# KiCad board SofleKeyboard.kicad_pcb (continued)
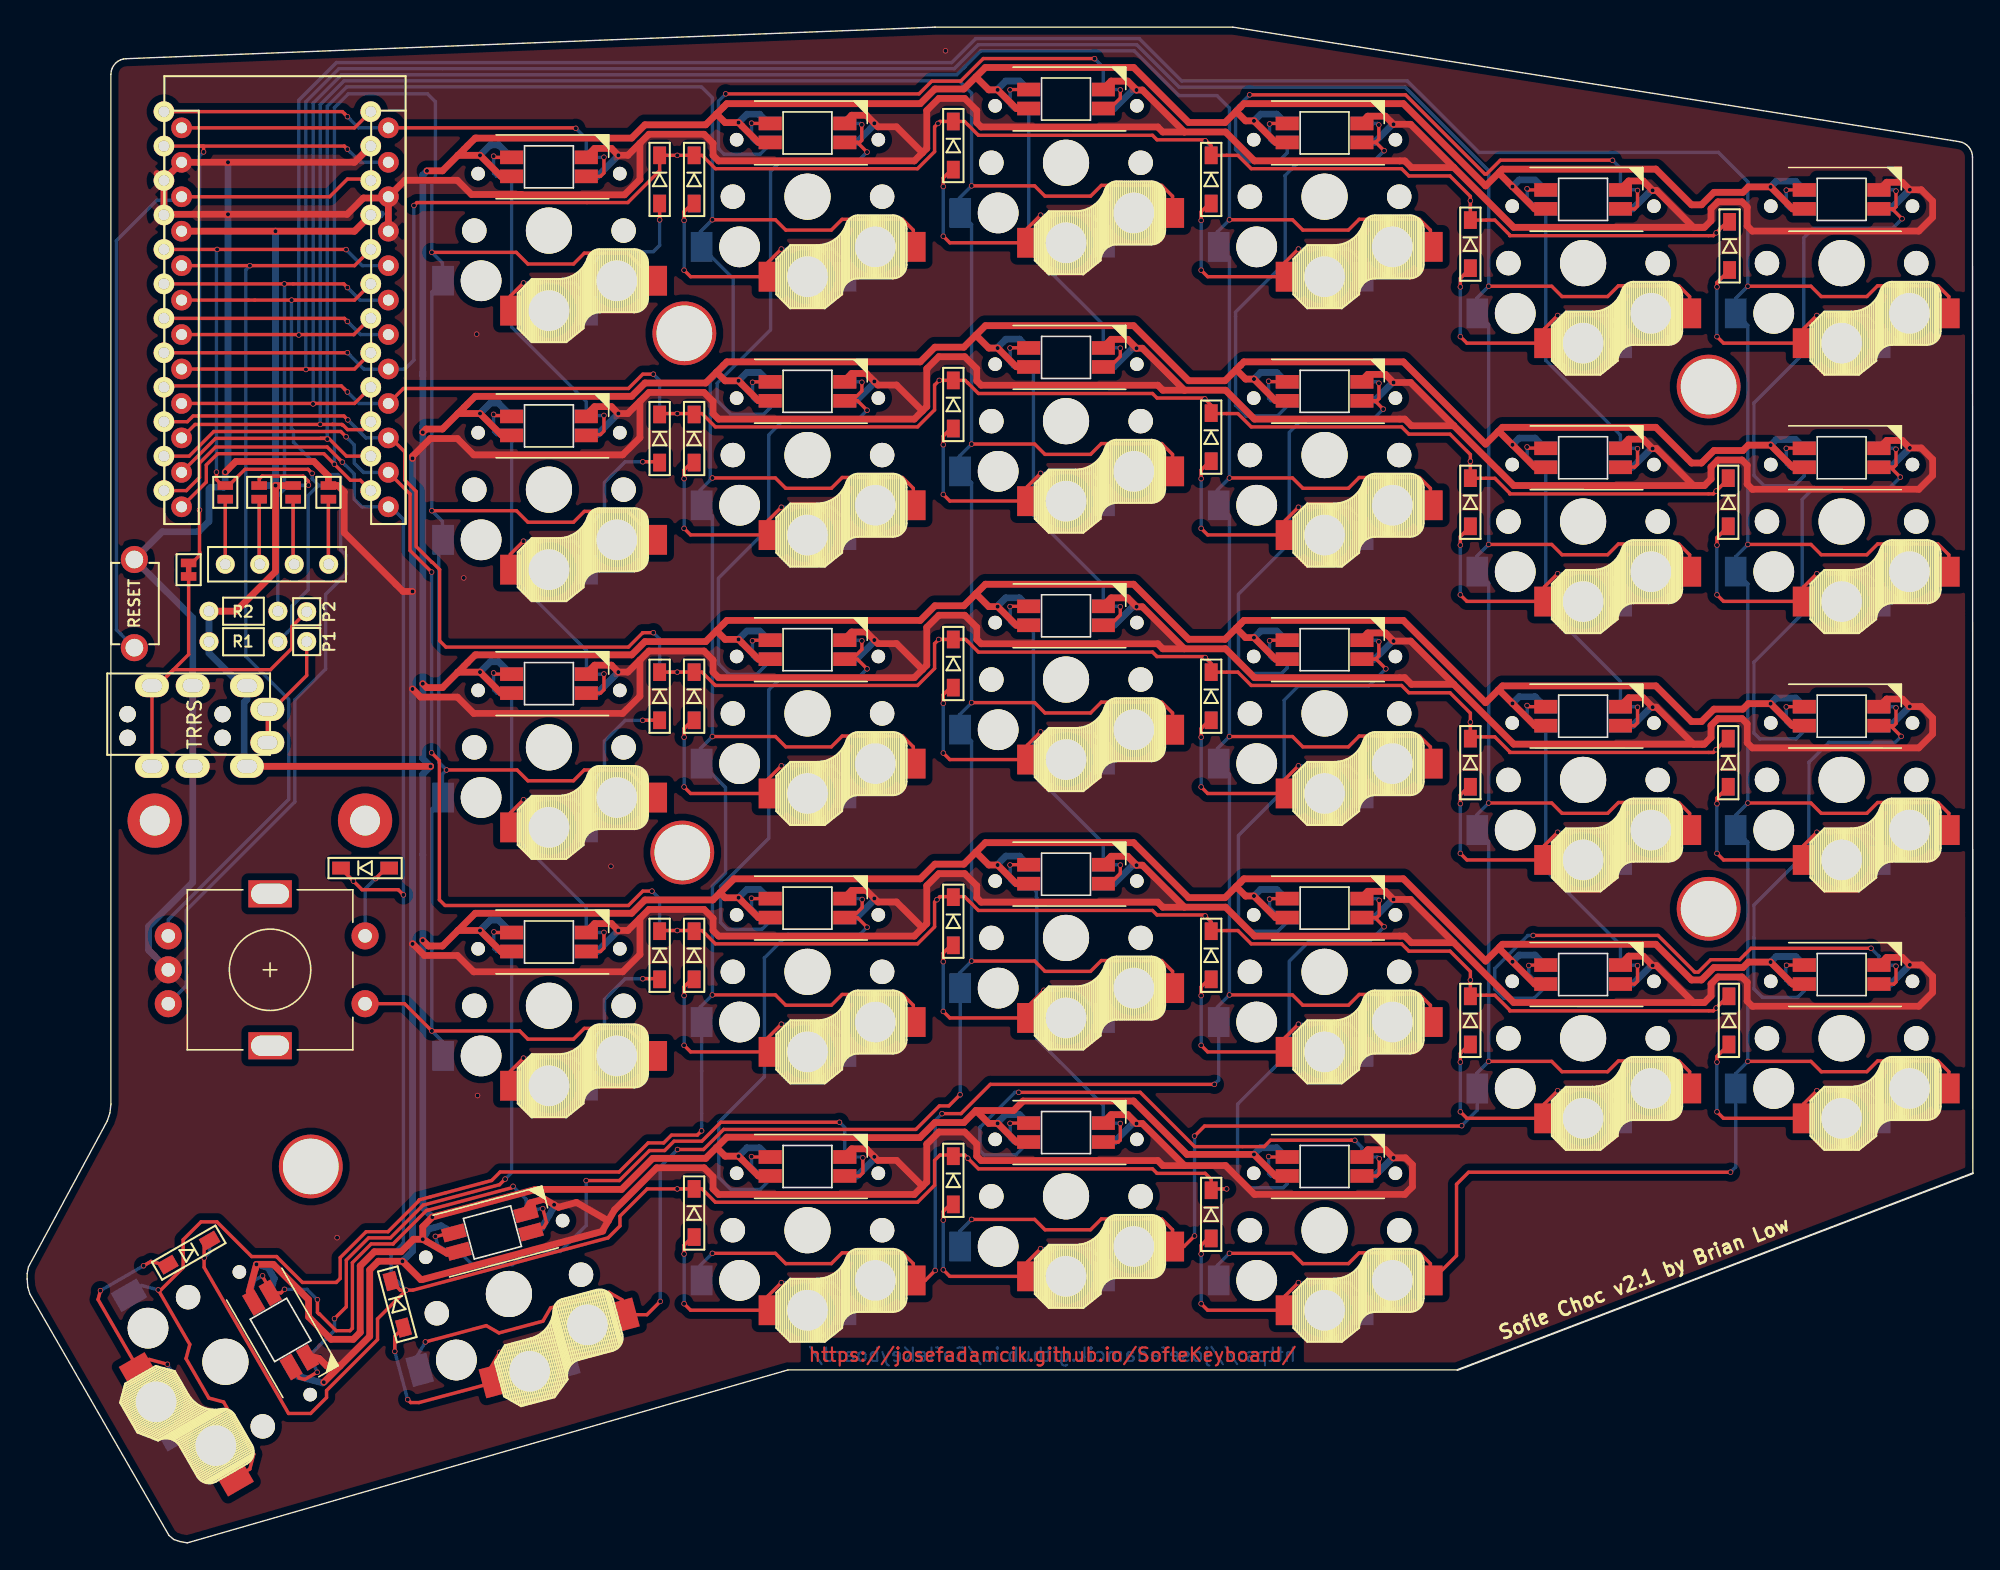
[diagram p0: board, top side]
## Routing (per net, layer and track width the routed paths; a pad name or vN(x,y) marks a point on that pad's centre or on a via; arc(x,y) is an arc through that point) (continued)
  Bottom w0.5: v1(18.3,96.7) v1(18.3,77.95) JP7.2 ; v1(52.42,47.56) 53.04,48.18 53.97,48.18 54.65,47.5 ; v1(52.42,66.61) 53.04,67.23 53.97,67.23 54.65,66.55 ; v1(52.42,85.67) 53.04,86.29 53.97,86.29 54.65,85.61 ; 35.65,45 34.74,45.91 34.13,45.91 v1(33.37,45.15) ; 35.65,64.05 34.74,64.96 34.13,64.96 v1(33.37,64.2) ; 35.65,83.11 34.74,84.03 34.13,84.03 v1(33.37,83.26) ; v1(71.51,49.98) 71.51,50.03 72.11,50.63 73.12,50.63 73.75,50 ; v1(71.51,69.03) 71.51,69.08 72.11,69.68 73.12,69.68 73.75,69.05 ; v1(71.51,88.09) 71.51,88.14 72.11,88.74 73.12,88.74 73.75,88.11 ; v1(128.47,42.82) 128.88,43.23 130.32,43.23 SW24.1 ; v1(128.47,61.87) 128.88,62.28 130.32,62.28 SW18.1 ; v1(128.47,80.93) 128.88,81.35 130.32,81.35 130.95,80.71 ; v1(90.4,47.69) 90.89,48.18 92.07,48.18 92.75,47.5 ; v1(90.4,66.74) 90.89,67.23 92.07,67.23 92.75,66.55 ; v1(90.4,85.8) 90.89,86.29 92.07,86.29 92.75,85.61 ; v1(109.45,42.84) 109.94,43.34 111.11,43.34 111.85,42.6 ; v1(109.45,61.89) 109.94,62.39 111.11,62.39 111.85,61.65 ; v1(109.45,80.95) 109.94,81.45 111.11,81.45 111.85,80.71 ; v1(71.51,30.93) 71.51,30.98 72.11,31.58 73.12,31.58 73.75,30.95 ; v1(90.4,28.64) 90.89,29.13 92.07,29.13 92.75,28.45 ; v1(52.42,28.51) 53.04,29.13 53.97,29.13 54.65,28.45 ; 31.32,22.9 30.49,23.38 29.59,23.14 v1(29.15,22.38) ; 17.96,18.57 18.21,19.5 17.74,20.31 v1(16.9,20.53) ; v1(109.45,99.99) 109.94,100.49 111.11,100.49 111.85,99.75 ; 26.1,97.98 26.02,97.9 U1.21 ; U1.21 25.4,97.98 ; U1.21 25.34,97.92 ; v1(29.46,101.16) 29.15,100.85 29.15,86.04 ; 92.75,104.65 92.07,105.33 90.89,105.33 v1(90.4,104.84) ; v1(29.86,24.02) 29.15,24.73 v1(29.15,44.42) 29.15,56.67 v1(29.73,57.25) 29.15,57.82 v1(29.15,63.34) v1(29.15,81.88) 29.15,86.04 ; v1(71.51,107.13) 71.51,107.18 72.11,107.78 73.12,107.78 73.75,107.15 ; R2.1 13.4,65.6 15.8,63.2 J2.1 16.2,62.19 16,61.99 16,57.45 J2.1 ; 54.65,104.65 53.97,105.33 53.04,105.33 v1(52.42,104.71) ; 29.15,86.04 29.15,86.3 ; v1(33.37,102.3) 34.13,103.06 34.74,103.06 35.65,102.15 ; SW6.1 130.32,100.38 128.88,100.38 v1(128.47,99.97)
/i2c_c: length 9.9
  Top w0.25: 20.2,66.05 P1.1 20.6,63.95 18.1,61.45 J2.4 J2.4
  Bottom w0.25: 18.1,61.45 J2.4
/i2c_d: length 29.6
  Top w0.25: J2.3 J2.3 9.6,63.2 ; 9.6,63.2 10.78,64.38 17.93,64.38 19.5,65.95 19.5,67.55 P2.1 ; 9.6,63.2 11.9,65.5 W1.2
col0: length 336.6
  Top w0.25: 25.37,90.38 24.07,89.08 24.07,89.08 20.14,89.08 ; SW24.6 141.6,34.73 140.8,35.53 136.35,35.53 135.56,34.74 132.2,34.74 131.44,35.5 126.79,35.5 v1(126.79,35.5) ; SW18.6 141.6,53.78 140.8,54.58 136.35,54.58 135.56,53.79 132.2,53.79 131.44,54.55 126.79,54.55 v1(126.79,54.55) ; 141.6,71.61 141.6,72.85 140.8,73.65 136.35,73.65 135.56,72.85 132.2,72.85 131.44,73.61 126.79,73.61 v1(126.79,73.61) ; SW6.6 141.6,91.88 140.8,92.68 136.35,92.68 135.56,91.89 132.2,91.89 131.44,92.65 126.79,92.65 v1(126.79,92.65) ; 103.4,19.35 103.4,20.58 102.6,21.38 98.15,21.38 97.36,20.59 94,20.59 93.24,21.35 88.59,21.35 v1(88.59,21.35) ; v1(20.02,89.05) 20.05,89.08 20.14,89.08 ; SW30.6 105.32,21.17 105.32,26.44 106.21,27.33 v1(125.52,27.33) ; 20.14,89.08 U1.18
  Bottom w0.25: 125.9,71.61 125.9,72.72 v1(126.79,73.61) 126.79,89.76 SW6.6 125.9,91.75 v1(126.79,92.65) 126.79,100.35 124.63,102.51 106.98,102.51 101.71,107.78 85.07,107.78 81.95,110.9 69.9,110.9 68.13,109.14 22.79,109.14 20.02,106.36 v1(20.02,89.05) ; 87.7,19.35 87.7,20.45 v1(88.59,21.35) ; v1(125.52,27.33) 125.9,27.71 SW24.6 125.9,34.6 v1(126.79,35.5) 126.79,51.66 SW18.6 125.9,53.65 v1(126.79,54.55) 126.79,70.71 SW12.6
col1: length 317.4
  Top w0.25: 122.5,33.5 122.5,34.73 121.7,35.53 117.25,35.53 116.46,34.74 113.1,34.74 112.34,35.5 107.69,35.5 v1(107.69,35.5) ; 122.5,52.55 122.5,53.78 121.7,54.58 117.25,54.58 116.46,53.79 113.1,53.79 112.34,54.55 107.69,54.55 v1(107.69,54.55) ; 122.5,71.61 122.5,72.85 121.7,73.65 117.25,73.65 116.46,72.85 113.1,72.85 112.34,73.61 107.69,73.61 v1(107.69,73.61) ; 84.4,21.85 84.4,23.08 83.6,23.88 79.15,23.88 78.36,23.09 75,23.09 74.24,23.85 69.59,23.85 v1(69.59,23.85) ; U1.17 24.12,86.54 20.65,86.54 ; 20.65,86.54 20.58,86.54 v1(20.54,86.51) ; 20.65,86.54 U1.17 ; v1(86.02,29.99) 86.76,30.73 105.68,30.73 v1(105.7,30.76) ; 122.5,90.65 122.5,91.88 121.7,92.68 117.25,92.68 116.46,91.89 113.1,91.89 112.34,92.65 107.69,92.65 v1(107.69,92.65) ; v1(86.02,22.63) 85.24,21.85 SW29.6
  Bottom w0.25: 106.8,33.5 106.8,34.6 v1(107.69,35.5) 107.69,51.71 SW17.6 ; 106.8,52.55 106.8,53.65 v1(107.69,54.55) 107.69,70.76 SW11.6 ; 106.8,71.61 106.8,72.72 v1(107.69,73.61) 107.69,89.81 SW5.6 ; v1(69.59,23.85) 68.7,22.95 68.7,21.85 68.7,22.21 ; v1(86.02,22.63) v1(86.02,29.99) ; v1(105.7,30.76) 106.85,31.9 SW23.6 ; 106.8,90.65 106.8,91.75 v1(107.69,92.65) 107.69,101.16 101.52,107.33 84.88,107.33 81.76,110.45 70.08,110.45 68.83,109.2 ; 68.75,109.12 68.32,108.69 22.98,108.69 20.54,106.25 v1(20.54,86.51)
col2: length 304.4
  Top w0.25: 103.4,38.4 103.4,39.63 102.6,40.43 98.15,40.43 97.36,39.64 94,39.64 93.24,40.4 88.59,40.4 v1(88.59,40.4) ; 103.4,57.45 103.4,58.68 102.6,59.48 98.15,59.48 97.36,58.69 94,58.69 93.24,59.45 88.59,59.45 v1(88.59,59.45) ; 103.4,76.51 103.4,77.75 102.6,78.55 98.15,78.55 97.36,77.75 94,77.75 93.24,78.51 88.59,78.51 v1(88.59,78.51) ; 103.4,95.55 103.4,96.78 102.6,97.58 98.15,97.58 97.36,96.79 94,96.79 93.24,97.55 88.59,97.55 v1(88.59,97.55) ; 65.3,19.35 65.3,20.58 64.5,21.38 60.05,21.38 59.26,20.59 55.9,20.59 55.14,21.35 50.49,21.35 v1(50.49,21.35) ; v1(67.41,31.65) 68.81,31.65 70.97,33.8 v1(87.48,33.8) ; v1(21.07,83.97) 21.1,84 21.21,84 ; 21.21,84 U1.16 ; 21.21,84 24.12,84 U1.16 ; v1(66.91,20.08) 66.17,19.35 SW28.6
  Bottom w0.25: 87.7,38.4 87.7,39.5 v1(88.59,40.4) 88.59,56.66 SW16.6 ; 87.7,57.45 87.7,58.55 v1(88.59,59.45) 88.59,75.71 SW10.6 ; 87.7,76.51 87.7,77.62 v1(88.59,78.51) 88.59,94.76 SW4.6 ; 87.7,95.55 87.7,96.65 v1(88.59,97.55) 88.59,105.78 87.67,106.7 84.88,106.7 81.57,110 70.27,110 69.13,108.86 ; 49.6,19.35 49.6,20.45 v1(50.49,21.35) ; v1(67.41,31.65) 66.91,31.14 v1(66.91,20.08) ; v1(87.48,33.8) 87.8,34.12 SW22.6 ; 69.13,108.86 68.5,108.24 23.16,108.24 21.07,106.14 v1(21.07,83.97) ; 69.13,108.86 69.01,108.75
col3: length 290.9
  Top w0.25: 84.4,40.9 84.4,42.13 83.6,42.93 79.15,42.93 78.36,42.14 75,42.14 74.24,42.9 69.59,42.9 v1(69.59,42.9) ; 84.4,59.95 84.4,61.18 83.6,61.98 79.15,61.98 78.36,61.19 75,61.19 74.24,61.95 69.59,61.95 v1(69.59,61.95) ; 84.4,79.01 84.4,80.25 83.6,81.05 79.15,81.05 78.36,80.25 75,80.25 74.24,81.01 69.59,81.01 v1(69.59,81.01) ; 84.4,98.05 84.4,99.28 83.6,100.08 79.15,100.08 78.36,99.29 75,99.29 74.24,100.05 69.59,100.05 v1(69.59,100.05) ; 44.16,16.72 43.84,17.91 42.86,18.48 38.57,17.32 38.01,16.35 34.76,15.48 33.83,16.02 29.34,14.82 v1(29.34,14.81) ; 22.47,82.46 22.65,82.46 ; 22.47,82.46 23.19,82.46 23.26,82.39 23.3,82.39 23.61,82.08 24.74,82.08 U1.15 24.86,82.2 ; 22.47,82.46 21.49,82.46 ; SW27.6 45.67,16.82 v1(46.65,17.8) ; 21.49,82.46 12.37,82.46 U1.15 ; 21.49,82.46 21.59,82.46 v1(21.59,82.46) ; v1(68.74,33.05) 67.92,32.22 67.22,32.22 65.49,30.48 51.32,30.48 49.84,29 v1(47.92,29)
  Bottom w0.25: 68.7,41.26 68.7,40.9 68.7,42 v1(69.59,42.9) 69.59,59.11 SW15.6 ; 68.7,60.31 68.7,59.95 68.7,61.05 v1(69.59,61.95) 69.59,78.16 SW9.6 ; 68.7,79.38 68.7,79.01 68.7,80.12 v1(69.59,81.01) 69.59,97.21 SW3.6 ; 29,12.65 28.71,13.72 v1(29.34,14.81) ; v1(47.92,29) 46.65,27.73 v1(46.65,17.8) ; 68.75,32.92 68.75,32.92 SW21.6 ; v1(21.59,82.46) 21.59,106.03 23.35,107.79 68.68,107.79 69.59,106.87 v1(69.59,100.05) 68.7,99.15 68.7,98.05 68.7,98.41
col4: length 288.6
  Top w0.25: 65.3,38.4 65.3,39.63 64.5,40.43 60.05,40.43 59.26,39.64 55.9,39.64 55.14,40.4 50.49,40.4 v1(50.49,40.4) ; 65.3,57.45 65.3,58.68 64.5,59.48 60.05,59.48 59.26,58.69 55.9,58.69 55.14,59.45 50.49,59.45 v1(50.49,59.45) ; 65.3,76.51 65.3,77.75 64.5,78.55 60.05,78.55 59.26,77.75 55.9,77.75 55.14,78.51 50.49,78.51 v1(50.49,78.51) ; 65.3,95.55 65.3,96.78 64.5,97.58 60.05,97.58 59.26,96.79 55.9,96.79 55.14,97.55 50.49,97.55 v1(50.49,97.55) ; 15.34,4.83 16.4,5.44 16.7,6.54 14.48,10.39 13.39,10.68 11.71,13.59 11.99,14.63 9.66,18.65 v1(9.66,18.65) 9.85,18.65 11.5,20.29 11.5,22.35 12.82,23.67 13.98,23.67 16.55,21.11 18.37,21.11 20.28,19.2 22.77,19.2 23.07,19.49 23.07,21.03 24.98,22.94 26.59,22.94 28.82,25.18 28.89,25.29 34.23,26.72 34.86,27.34 43.62,27.34 45.76,29.49 46.9,29.49 47.48,30.06 49.39,30.06 v1(49.7,30.38) ; U1.14 23.53,80.12 22.22,81.43 21.63,81.43 ; 21.63,81.43 13.88,81.43 U1.14 ; 21.63,81.43 22.06,81.43 v1(22.12,81.38)
  Bottom w0.25: 49.6,38.4 49.6,39.5 v1(50.49,40.4) 50.49,48.43 51.46,49.4 51.46,55.69 SW14.6 ; 49.6,57.45 49.6,58.55 v1(50.49,59.45) 50.49,75.71 SW8.6 ; 49.6,76.51 49.6,77.62 50.33,78.35 ; 49.6,95.55 49.6,96.65 v1(50.49,97.55) 50.49,106.54 49.7,107.34 23.54,107.34 22.12,105.92 v1(22.12,81.38) ; 7.49,18.42 8.44,18.98 v1(9.66,18.65) ; 49.7,30.76 SW20.6 ; 49.7,30.76 49.7,30.76 ; 49.7,30.76 49.7,30.38 v1(49.7,30.38) ; 50.33,78.35 50.33,85.62 52.02,87.31 52.02,93.23 SW2.6 ; 50.33,78.35 v1(50.49,78.51)
DATA: length 48.7
  Top w0.25: 12.6,102.98 12.87,102.98 ; 12.6,102.98 U1.2 ; 12.6,102.98 12.98,102.98 ; v1(23.6,102.75) 23.37,102.98 12.98,102.98 ; v1(13,102.55) 13,102.96 12.98,102.98 ; v1(12.7,76.15) 12.7,73.05 12.72,73.03 12.72,72.82 12.15,72.25 W1.1
  Bottom w0.25: v1(13,102.55) 12.7,102.25 v1(12.7,76.15) ; v1(23.6,102.75) 24.57,101.78 U1.2
ENCA: length 69
  Top w0.25: U1.20 v1(16.41,94.16) 24.12,94.16 U1.20
  Bottom w0.25: SW25.A 10.4,45.94 19.28,54.82 19.28,62.19 16.12,65.35 16.12,93.87 v1(16.41,94.16)
ENCB: length 73.9
  Top w0.25: U1.19 24.12,91.62 U1.19
  Bottom w0.25: SW25.B 11.73,41.08 11.73,46.63 19.73,54.63 19.73,62.15 21.99,64.42 21.99,69.93 23.5,71.44 23.5,72.82 23.1,73.21 23.1,78.56 22.9,78.76 22.01,78.76 19.62,81.15 19.62,82 19.47,82.15 19.47,91.61 v1(19.49,91.62)
LED: length 37.3
  Top w0.25: v1(42.5,102.16) 42.5,101 42.25,100.75 41.15,100.75 ; U1.1 40.39,104.32 v1(40.43,104.29) ; v1(23.6,105.15) 23.23,105.52 U1.1
  Bottom w0.25: 41.15,102.15 42.49,102.15 v1(42.5,102.16) ; v1(40.43,104.29) 41.2,103.52 SW1.4 ; v1(23.6,105.15) 24.43,104.32 U1.1
RESET: length 51.2
  Top w0.25: 25.37,100.54 25.36,100.55 23.6,100.55 22.29,99.24 U1.22
  Bottom w0.25: RSW1.2 6.57,67.33 6.57,96 9.56,98.99 11.12,98.99 U1.22
row0: length 145.8
  Top w0.25: 47.9,102.3 49.14,102.3 D2.1 49.73,102.3 50.71,101.31 65.61,101.31 66.87,102.57 66.87,104.4 v1(67.12,104.65) 67.26,104.8 D3.1 69.08,104.8 70.1,103.78 82.92,103.78 83.25,103.44 86.81,103.44 87.25,103 D4.1 89.22,102.3 90.2,101.31 101.27,101.31 101.81,100.78 104.84,100.78 106.34,99.28 v1(106.34,98.95) D5.1 108.15,97.53 109.24,96.43 109.24,96.38 124.25,96.38 v1(124.46,96.58) 125.27,97.4 D6.1 ; 47.9,102.3 D1.1 46.61,101.16 44.26,98.81 28.72,98.81 v1(28.5,98.6) ; 47.9,102.3 v1(47.9,102.3) ; U1.8 23.59,87.74 v1(23.6,87.75)
  Bottom w0.25: v1(124.46,96.58) 125.27,97.4 D6.1 ; D3.1 67.26,104.8 v1(67.12,104.65) ; v1(23.6,87.75) 24.81,86.54 26.67,86.54 ; D5.1 v1(106.34,98.95) ; D1.1 46.61,102.3 D2.1 ; D4.1 87.25,102.93 v1(86.81,103.37) ; v1(28.5,98.6) 28.5,87.21 27.84,86.54 U1.8
row1: length 135
  Top w0.25: 87.25,83.26 89.22,83.26 90.2,82.28 101.27,82.28 101.81,81.74 104.84,81.74 106.34,80.24 v1(106.34,79.74) 106.34,78.49 108.15,78.49 109.24,77.39 109.24,77.34 124.25,77.34 v1(124.46,77.55) 125.27,78.36 125.44,78.36 ; 86.81,84.41 83.25,84.41 82.92,84.74 70.1,84.74 69.31,85.52 69.31,85.52 69.12,85.7 D9.1 v1(67.21,85.7) 66.87,85.36 66.87,83.53 65.61,82.28 50.71,82.28 49.73,83.26 49.15,83.26 49.14,83.26 47.9,83.26 ; 47.9,83.26 v1(47.9,83.26) ; 47.9,83.26 46.61,83.26 ; 10.13,85.3 23.15,85.3 v1(23.6,84.85) ; U1.9 27.72,85.11 44.3,85.11 45.36,86.16 v1(46.14,86.16) ; v1(86.78,84.33) 87.25,83.87 D10.1
  Bottom w0.25: v1(124.46,77.55) 125.27,78.36 125.44,78.36 ; 46.61,83.26 46.61,83.26 49.15,83.26 ; D11.1 v1(106.34,79.74) ; 26.67,84 24.45,84 v1(23.6,84.85) ; v1(86.78,84.33) 87.25,83.87 D10.1 ; D7.1 46.61,85.7 v1(46.14,86.16) ; D9.1 v1(67.21,85.7)
row2: length 147.9
  Top w0.25: 86.81,65.34 83.25,65.34 82.92,65.68 70.1,65.68 69.31,66.46 69.31,66.46 69.16,66.61 D15.1 67.17,66.61 66.87,66.3 66.87,64.47 65.61,63.21 50.71,63.21 49.73,64.19 49.15,64.19 49.14,64.2 47.9,64.2 ; 125.44,59.3 125.27,59.3 v1(124.46,58.48) 124.25,58.28 109.24,58.28 109.24,58.33 108.15,59.42 106.34,59.42 v1(106.34,60.51) 106.34,61.17 104.84,62.68 101.81,62.68 101.27,63.21 90.2,63.21 89.22,64.19 87.25,64.19 87.25,64.83 v1(86.81,65.27) ; 47.9,64.2 v1(47.9,64.2) ; 47.9,64.2 46.61,64.2 ; U1.10 26.79,81.46 27.82,80.43 27.82,78.36 28.67,77.52 28.67,73.45 29.83,72.29 29.87,72.29 30.39,71.76 30.39,66.51 30.86,66.04 44.3,66.04 45.35,67.09 45.35,67.1 v1(46.14,67.1) ; v1(23.63,82.79) 23.35,83.08 12.23,83.08 11.81,82.66 U1.10
  Bottom w0.25: v1(124.46,58.48) 125.27,59.3 125.44,59.3 ; 46.61,64.2 46.61,64.19 49.15,64.19 ; 87.25,64.19 87.25,64.83 v1(86.81,65.27) ; v1(46.14,67.1) 46.61,66.64 46.61,64.19 ; v1(23.63,82.79) 24.96,81.46 U1.10 ; D17.1 v1(106.34,60.51) ; D15.1 v1(67.17,66.61)
row3: length 166.8
  Top w0.25: 87.25,45.14 89.22,45.14 90.2,44.16 101.27,44.16 101.81,43.63 104.84,43.63 106.34,42.12 v1(106.34,41.49) 106.34,40.38 108.15,40.38 109.24,39.28 109.24,39.23 124.25,39.23 v1(124.46,39.43) 125.27,40.25 125.44,40.25 ; 86.81,46.29 83.25,46.29 82.92,46.63 70.1,46.63 69.08,47.64 67.26,47.64 v1(67.04,47.42) 66.87,47.25 66.87,45.42 65.61,44.16 50.71,44.16 49.73,45.14 49.15,45.14 49.14,45.15 47.9,45.15 ; 47.9,45.15 v1(47.9,45.15) ; 47.9,45.15 46.61,45.15 ; v1(46.04,48.05) 45.36,48.05 44.3,46.99 30.79,46.99 30.38,47.41 30.38,57.68 v1(29.8,58.25) ; D22.1 87.25,45.78 v1(86.81,46.22) ; v1(23.5,81.55) 23.11,81.94 13.76,81.94 11.94,80.12 U1.11 ; U1.11 28.22,77.33 28.22,73.16 v1(29.8,71.57)
  Bottom w0.25: v1(124.46,39.43) 125.27,40.25 125.44,40.25 ; 46.61,45.15 46.61,45.14 49.15,45.14 ; D22.1 87.25,45.78 v1(86.81,46.22) ; 29.73,71.62 29.8,71.55 v1(29.8,58.25) ; v1(23.5,81.55) 24.1,80.95 24.1,79.61 24.79,78.92 26.67,78.92 ; D23.1 v1(106.34,41.49) ; v1(67.04,47.42) 67.27,47.65 68.2,47.65 D21.1 ; v1(46.04,48.05) 46.61,47.48 D19.1
row4: length 189.5
  Top w0.25: v1(88.39,26.09) 87.25,26.09 87.25,26.81 86.81,27.24 83.25,27.24 82.92,27.58 70.1,27.58 v1(69.31,28.36) 69.08,28.59 67.26,28.59 66.87,28.2 66.87,26.37 65.61,25.11 50.71,25.11 49.73,26.09 D28.1 49.14,26.1 47.9,26.1 v1(47.9,26.1) 45.69,26.1 43.68,24.09 43.68,23.36 42.8,22.49 28.41,18.63 v1(27.93,18.63) ; D27.1 27.49,18.63 v1(27.93,18.63) ; U1.12 11.73,77.58 12.7,78.55 12.7,79.61 13.89,80.79 22.11,80.79 v1(23.23,79.68) ; D25.1 23.12,49.71 v1(24.04,48.79) 24.68,48.16 27.35,48.16 v1(27.73,47.77) ; v1(27.93,18.63) 25.82,16.51 25.82,14.99 22.06,11.23 22.06,10.72 20.89,9.54 19.26,9.54 13.04,20.31 v1(13.04,21.01) 13.04,21.88 D26.1
  Bottom w0.25: 87.25,26.09 v1(88.39,26.09) ; v1(69.31,28.36) 69.08,28.59 68.25,28.59 ; U1.12 26.8,76.38 27.73,75.46 v1(27.73,47.77) 27.73,22.12 26.81,21.21 D27.1 27.26,19.3 v1(27.93,18.63) ; v1(47.9,26.1) 47.9,26.09 D28.1 ; v1(13.04,21.01) 13.44,21.41 D26.1 ; D25.1 23.12,49.71 v1(24.04,48.79) ; v1(23.23,79.68) 24.1,78.81 24.1,76.95 24.67,76.38 26.67,76.38
SCL: length 49.6
  Top w0.25: v1(20.73,77.98) 20.73,78.26 20.34,78.65 17.31,78.65 17.1,78.44 JP3.2 ; v1(23.6,92.55) 23.33,92.82 U1.6 9.49,92.82
  Bottom w0.25: R2.2 18.48,77.21 19.25,77.98 v1(20.73,77.98) 20.7,77.95 JP6.2 19.5,78.05 ; 19.1,77.95 18.96,78.09 18.96,92.81 v1(18.95,92.82) ; v1(23.6,92.55) 24.53,91.62 U1.6
SDA: length 57.5
  Top w0.25: 9.78,95.36 U1.5 v1(14,95.36) 23.49,95.36 v1(23.5,95.35) ; v1(13.95,78.94) 13.95,78.39 14.39,77.95 JP4.2 14.85,77.95 16.05,79.15 20.7,79.15 v1(21,78.85)
  Bottom w0.25: v1(13.95,78.94) 13.95,95.31 v1(14,95.36) ; v1(21,78.85) 21,78.45 21.5,77.95 JP5.2 21.44,77.95 20.7,77.21 20.7,70.27 19.5,69.07 19.5,67.46 R1.2 ; U1.5 24.69,94.16 v1(23.5,95.35)
SW25A: length 201
  Top w0.25: U1.13 13.2,78.21 13.2,79.47 14.03,80.3 21.86,80.3 22.58,79.58 ; v1(30.9,56.98) 36.1,56.98 36.9,56.19 40.26,56.19 41.05,56.98 44.27,56.98 46.3,54.95 ; 46.3,35.9 44.27,37.93 41.05,37.93 40.26,37.14 36.9,37.14 36.29,37.74 v1(29.82,37.74) 27.81,39.75 SW25.S1 ; v1(29.82,76.1) 36.05,76.1 36.9,75.25 40.26,75.25 41.05,76.05 44.27,76.05 46.3,74.01 ; 22.58,79.58 v1(22.64,79.52) ; 22.58,79.58 23.82,78.34 24.56,78.34 U1.13 ; v1(29.82,95.15) 36.04,95.15 36.9,94.29 40.26,94.29 41.05,95.08 44.27,95.08 46.3,93.05
  Bottom w0.25: 30.6,54.95 30.6,56.68 v1(30.9,56.98) 30.33,57.55 30.33,73.62 30.65,73.94 SW7.6 ; 30.6,74.01 30.6,75.32 v1(29.82,76.1) 29.82,92.22 SW1.6 ; 30.6,93.05 30.6,94.37 v1(29.82,95.15) 29.82,100.42 30.09,100.68 30.09,106.25 29.5,106.83 23.66,106.83 22.64,105.81 v1(22.64,79.52) ; SW13.6 29.82,54.12 v1(29.82,37.74) 30.6,36.96 30.6,35.9
SW25B: length 7.1
  Top w0.25: v1(25.68,48.97) 26.45,49.75 D25.2
  Bottom w0.25: 26.6,49.75 26.45,49.75 v1(25.68,48.97) 24.9,48.2 SW25.S2
Net-(D1-Pad2): length 20.9
  Top w0.25: 35.6,90.85 35.6,91.91 v1(36.57,92.89) ; D1.2 v1(46.61,97.54)
  Bottom w0.25: v1(36.57,92.89) 40.33,92.89 41.2,92.02 ; D1.2 v1(46.61,97.54) 46.61,95.66 46.13,95.19 42.54,95.19 41.2,93.84 41.2,92.02 ; 41.2,92.02 41.2,90.9 SW1.5
Net-(D2-Pad2): length 22.6
  Top w0.25: 49.15,98.88 48.41,98.14 v1(48.41,97.5) ; 54.6,93.35 54.6,93.96 ; 54.6,93.35 48.89,93.35 v1(48.41,93.83) ; 54.6,93.35 54.6,94.41 v1(55.57,95.39)
  Bottom w0.25: 49.15,98.88 48.41,98.14 v1(48.41,97.5) v1(48.41,93.83) ; 60.2,93.35 60.2,94.52 59.33,95.39 v1(55.57,95.39)
Net-(D3-Pad2): length 22.6
  Top w0.25: 68.25,101.38 67.51,100.64 v1(67.51,100) ; 73.7,95.85 73.7,96.46 ; 73.7,95.85 67.99,95.85 v1(67.51,96.33) ; 73.7,95.85 73.7,96.91 v1(74.67,97.89)
  Bottom w0.25: 68.25,101.38 67.51,100.64 v1(67.51,100) v1(67.51,96.33) ; 79.3,95.85 79.3,97.02 78.43,97.89 v1(74.67,97.89)
Net-(D4-Pad2): length 22.6
  Top w0.25: 87.25,98.88 86.51,98.14 v1(86.51,97.5) ; 92.7,93.35 92.7,93.96 ; 92.7,93.35 86.99,93.35 v1(86.51,93.83) ; 92.7,93.35 92.7,94.41 v1(93.67,95.39)
  Bottom w0.25: 87.25,98.88 86.51,98.14 v1(86.51,97.5) v1(86.51,93.83) ; 98.3,93.35 98.3,94.52 97.43,95.39 v1(93.67,95.39)
Net-(D5-Pad2): length 22.6
  Top w0.25: 111.8,88.45 106.09,88.45 v1(105.61,88.93) ; 111.8,88.45 111.8,89.06 ; 111.8,88.45 111.8,89.52 v1(112.77,90.49) ; D5.2 105.61,93.24 v1(105.61,92.6)
  Bottom w0.25: v1(105.61,88.93) v1(105.61,92.6) 105.61,93.24 D5.2 ; v1(112.77,90.49) 116.53,90.49 117.4,89.62 117.4,88.45
Net-(D6-Pad2): length 22.7
  Top w0.25: SW6.5 130.9,89.06 ; SW6.5 130.9,89.52 v1(131.87,90.49) ; SW6.5 125,88.45 v1(124.52,88.93) ; D6.2 124.52,92.92 v1(124.52,92.6)
  Bottom w0.25: SW6.5 136.5,89.62 135.63,90.49 v1(131.87,90.49) ; v1(124.52,88.93) v1(124.52,92.6) 124.52,92.92 D6.2
Net-(D7-Pad2): length 21.5
  Top w0.25: 35.6,71.81 35.6,72.88 v1(36.57,73.85) ; v1(45.36,79.7) 45.37,79.71 46.61,79.71
  Bottom w0.25: v1(36.57,73.85) 40.33,73.85 41.2,72.98 41.2,71.81 41.2,74.81 42.54,76.15 42.54,78.18 44.06,79.7 v1(45.36,79.7) 45.37,79.71 46.61,79.71
Net-(D8-Pad2): length 22.6
  Top w0.25: 49.15,79.84 48.41,79.1 v1(48.41,78.46) ; 54.6,74.31 54.6,74.93 ; 54.6,74.31 48.89,74.31 v1(48.41,74.79) ; 54.6,74.31 54.6,75.38 v1(55.57,76.35)
  Bottom w0.25: 49.15,79.84 48.41,79.1 v1(48.41,78.46) v1(48.41,74.79) ; 60.2,74.31 60.2,75.48 59.33,76.35 v1(55.57,76.35)
Net-(D9-Pad2): length 22.6
  Top w0.25: 68.25,82.34 67.51,81.6 v1(67.51,80.96) ; 73.7,76.81 73.7,77.43 ; 73.7,76.81 67.99,76.81 v1(67.51,77.29) ; 73.7,76.81 73.7,77.88 v1(74.67,78.85)
  Bottom w0.25: 68.25,82.34 67.51,81.6 v1(67.51,80.96) v1(67.51,77.29) ; 79.3,76.81 79.3,77.98 78.43,78.85 v1(74.67,78.85)
Net-(D10-Pad2): length 22.6
  Top w0.25: 87.25,79.84 86.51,79.1 v1(86.51,78.46) ; 92.7,74.31 92.7,74.93 ; 92.7,74.31 86.99,74.31 v1(86.51,74.79) ; 92.7,74.31 92.7,75.38 v1(93.67,76.35)
  Bottom w0.25: 87.25,79.84 86.51,79.1 v1(86.51,78.46) v1(86.51,74.79) ; 98.3,74.31 98.3,75.48 97.43,76.35 v1(93.67,76.35)
Net-(D11-Pad2): length 22.6
  Top w0.25: 111.8,69.41 106.09,69.41 v1(105.61,69.89) ; 111.8,69.41 111.8,70.03 ; 111.8,69.41 111.8,70.48 v1(112.77,71.45) ; 106.34,74.94 105.61,74.2 v1(105.61,73.56)
  Bottom w0.25: v1(105.61,69.89) v1(105.61,73.56) 105.61,74.2 106.34,74.94 ; 117.4,69.41 117.4,70.58 116.53,71.45 v1(112.77,71.45)
Net-(D12-Pad2): length 22.9
  Top w0.25: 130.9,69.41 130.9,70.03 ; 130.9,69.41 130.9,70.48 v1(131.87,71.45) ; 130.9,69.41 125,69.41 v1(124.52,69.89) ; v1(124.52,73.56) 124.52,74.12 D12.2
  Bottom w0.25: 136.5,69.41 136.5,70.58 135.63,71.45 v1(131.87,71.45) ; v1(124.52,69.89) v1(124.52,73.56) 124.52,74.12 D12.2
Net-(D13-Pad2): length 21.5
  Top w0.25: 35.6,52.75 35.6,53.81 v1(36.57,54.79) ; v1(45.36,60.64) 45.37,60.65 46.61,60.65
  Bottom w0.25: v1(36.57,54.79) 40.33,54.79 41.2,53.92 41.2,52.75 41.2,55.75 42.54,57.09 42.54,59.12 44.06,60.64 v1(45.36,60.64) 45.37,60.65 46.61,60.65
Net-(D14-Pad2): length 22.6
  Top w0.25: 49.15,60.78 48.41,60.04 v1(48.41,59.4) ; 54.6,55.25 54.6,55.86 ; 54.6,55.25 48.89,55.25 v1(48.41,55.73) ; 54.6,55.25 54.6,56.31 v1(55.57,57.29)
  Bottom w0.25: 49.15,60.78 48.41,60.04 v1(48.41,59.4) v1(48.41,55.73) ; 60.2,55.25 60.2,56.42 59.33,57.29 v1(55.57,57.29)
Net-(D15-Pad2): length 22.6
  Top w0.25: 68.25,63.28 67.51,62.54 v1(67.51,61.9) ; 73.7,57.75 73.7,58.36 ; 73.7,57.75 67.99,57.75 v1(67.51,58.23) ; 73.7,57.75 73.7,58.81 v1(74.67,59.79)
  Bottom w0.25: 68.25,63.28 67.51,62.54 v1(67.51,61.9) v1(67.51,58.23) ; 79.3,57.75 79.3,58.92 78.43,59.79 v1(74.67,59.79)
Net-(D16-Pad2): length 22.6
  Top w0.25: 87.25,60.78 86.51,60.04 v1(86.51,59.4) ; 92.7,55.25 92.7,55.86 ; 92.7,55.25 86.99,55.25 v1(86.51,55.73) ; 92.7,55.25 92.7,56.31 v1(93.67,57.29)
  Bottom w0.25: 87.25,60.78 86.51,60.04 v1(86.51,59.4) v1(86.51,55.73) ; 98.3,55.25 98.3,56.42 97.43,57.29 v1(93.67,57.29)
Net-(D17-Pad2): length 22.6
  Top w0.25: 111.8,50.35 106.09,50.35 v1(105.61,50.83) ; 111.8,50.35 111.8,50.96 ; 111.8,50.35 111.8,51.42 v1(112.77,52.39) ; 106.34,55.88 105.61,55.14 v1(105.61,54.5)
  Bottom w0.25: v1(105.61,50.83) v1(105.61,54.5) 105.61,55.14 106.34,55.88 ; 117.4,50.35 117.4,51.52 116.53,52.39 v1(112.77,52.39)
Net-(D18-Pad2): length 22.6
  Top w0.25: SW18.5 130.9,50.96 ; SW18.5 130.9,51.42 v1(131.87,52.39) ; SW18.5 125,50.35 v1(124.52,50.83) ; v1(124.52,54.5) 124.52,54.92 125.34,55.75
  Bottom w0.25: SW18.5 136.5,51.52 135.63,52.39 v1(131.87,52.39) ; v1(124.52,50.83) v1(124.52,54.5) 124.52,54.92 125.34,55.75
Net-(D19-Pad2): length 21.5
  Top w0.25: 35.6,33.7 35.6,34.77 v1(36.57,35.74) ; v1(45.36,41.59) 45.37,41.6 46.61,41.6
  Bottom w0.25: v1(36.57,35.74) 40.33,35.74 41.2,34.87 41.2,33.7 41.2,36.69 42.54,38.04 42.54,40.07 44.06,41.59 v1(45.36,41.59) 45.37,41.6 46.61,41.6
Net-(D20-Pad2): length 22.6
  Top w0.25: 49.15,41.72 48.41,40.99 v1(48.41,40.35) ; 54.6,36.2 54.6,36.81 ; 54.6,36.2 48.89,36.2 v1(48.41,36.68) ; 54.6,36.2 54.6,37.27 v1(55.57,38.24)
  Bottom w0.25: 49.15,41.72 48.41,40.99 v1(48.41,40.35) v1(48.41,36.68) ; 60.2,36.2 60.2,37.37 59.33,38.24 v1(55.57,38.24)
Net-(D21-Pad2): length 21.8
  Top w0.25: 68.25,44.22 67.51,43.49 v1(67.51,42.85) ; 73.7,38.7 73.7,39.31 ; 73.7,38.7 67.99,38.7 v1(67.51,39.18) ; 73.7,38.7 73.7,39.52 v1(74.92,40.74)
  Bottom w0.25: 68.25,44.22 67.51,43.49 v1(67.51,42.85) v1(67.51,39.18) ; 79.3,38.7 77.26,40.74 v1(74.92,40.74)
Net-(D22-Pad2): length 22.6
  Top w0.25: 87.25,41.72 86.51,40.99 v1(86.51,40.35) ; 92.7,36.2 92.7,36.81 ; 92.7,36.2 86.99,36.2 v1(86.51,36.68) ; 92.7,36.2 92.7,37.27 v1(93.67,38.24)
  Bottom w0.25: 87.25,41.72 86.51,40.99 v1(86.51,40.35) v1(86.51,36.68) ; 98.3,36.2 98.3,37.37 97.43,38.24 v1(93.67,38.24)
Net-(D23-Pad2): length 22.6
  Top w0.25: 111.8,31.3 106.09,31.3 v1(105.61,31.78) ; 111.8,31.3 111.8,31.91 ; 111.8,31.3 111.8,32.36 v1(112.77,33.34) ; 106.34,36.83 105.61,36.09 v1(105.61,35.45)
  Bottom w0.25: v1(105.61,31.78) v1(105.61,35.45) 105.61,36.09 106.34,36.83 ; 117.4,31.3 117.4,32.47 116.53,33.34 v1(112.77,33.34)
Net-(D24-Pad2): length 22.8
  Top w0.25: SW24.5 130.9,31.91 ; SW24.5 130.9,32.36 v1(131.87,33.34) ; SW24.5 125,31.3 v1(124.52,31.78) ; 125.4,36.75 124.52,35.87 v1(124.52,35.45)
  Bottom w0.25: SW24.5 136.5,32.47 135.63,33.34 v1(131.87,33.34) ; v1(124.52,31.78) v1(124.52,35.45) 124.52,35.87 125.4,36.75
Net-(D26-Pad2): length 22.6
  Top w0.25: 10.14,20.48 9.13,20.75 v1(8.58,20.43) ; 8.08,12.99 8.61,13.3 ; 8.08,12.99 5.23,17.94 v1(5.4,18.6) ; 8.08,12.99 9,13.53 v1(10.33,13.17)
  Bottom w0.25: 10.14,20.48 9.13,20.75 v1(8.58,20.43) v1(5.4,18.6) ; 10.88,8.14 11.89,8.73 12.21,9.92 v1(10.33,13.17)
Net-(D27-Pad2): length 23.6
  Top w0.25: 34.4,11.82 34.24,12.42 ; 34.4,11.82 28.88,10.34 28.26,10.34 v1(28.04,10.56) ; 34.4,11.82 34.12,12.85 v1(34.81,14.05) ; D27.2 27.09,15.23 v1(27.09,14.12)
  Bottom w0.25: 39.81,13.27 39.5,14.4 38.44,15.02 v1(34.81,14.05) ; 28.04,10.56 27.09,14.11 ; D27.2 27.09,15.23 v1(27.09,14.12)
Net-(D28-Pad2): length 22.6
  Top w0.25: 49.15,22.67 48.41,21.94 v1(48.41,21.3) ; 54.6,17.15 54.6,17.76 ; 54.6,17.15 48.89,17.15 v1(48.41,17.63) ; 54.6,17.15 54.6,18.22 v1(55.57,19.19)
  Bottom w0.25: 49.15,22.67 48.41,21.94 v1(48.41,21.3) v1(48.41,17.63) ; 60.2,17.15 60.2,18.32 59.33,19.19 v1(55.57,19.19)
Net-(D29-Pad2): length 22.6
  Top w0.25: 68.25,25.17 67.51,24.44 v1(67.51,23.8) ; 73.7,19.65 73.7,20.26 ; 73.7,19.65 67.99,19.65 v1(67.51,20.13) ; 73.7,19.65 73.7,20.72 v1(74.67,21.69)
  Bottom w0.25: 68.25,25.17 67.51,24.44 v1(67.51,23.8) v1(67.51,20.13) ; 79.3,19.65 79.3,20.82 78.43,21.69 v1(74.67,21.69)
Net-(D30-Pad2): length 22.6
  Top w0.25: 87.25,22.67 86.51,21.94 v1(86.51,21.3) ; 92.7,17.15 92.7,17.76 ; 92.7,17.15 86.99,17.15 v1(86.51,17.63) ; 92.7,17.15 92.7,18.22 v1(93.67,19.19)
  Bottom w0.25: 87.25,22.67 86.51,21.94 v1(86.51,21.3) v1(86.51,17.63) ; 98.3,17.15 98.3,18.32 97.43,19.19 v1(93.67,19.19)
Net-(J3-Pad1): length 9.6
  Top w0.25: JP4.1 J3.1
  Bottom w0.25: JP4.1 J3.1
Net-(J3-Pad2): length 9.6
  Top w0.25: JP3.1 17.1,72.19 J3.2
  Bottom w0.25: J3.2 17.1,72.19 JP3.1
Net-(J3-Pad3): length 9.7
  Top w0.25: JP2.1 19.6,72.23 J3.3
  Bottom w0.25: JP2.1 19.6,72.23 J3.3
Net-(J3-Pad4): length 9.6
  Top w0.25: JP1.1 22.2,72.17 J3.4
  Bottom w0.25: J3.4 22.2,72.17 JP1.1
Net-(SW1-Pad2): length 28
  Top w0.25: 41.15,81.71 42.25,81.71 42.5,81.96 v1(42.5,83.12) ; SW1.2 34.46,102.15 v1(34.37,102.24)
  Bottom w0.25: v1(42.5,83.12) 42.49,83.11 41.15,83.11 ; SW7.4 41.2,84.14 35.7,89.64 SW1.2 34.6,100.75 34.37,100.98 v1(34.37,102.24)
Net-(SW2-Pad2): length 47
  Top w0.25: v1(51.48,106.83) 65.72,106.83 66.65,107.76 68.78,107.76 70.45,109.43 78.65,109.43 v1(78.65,109.42) ; SW2.2 53.4,104.65 v1(53.38,104.67) ; v1(80.55,107.12) 80.55,106.51 79.79,105.75 79.25,105.75
  Bottom w0.25: v1(80.55,107.12) 80.52,107.15 79.25,107.15 ; SW3.4 79.3,108.78 v1(78.65,109.42) ; v1(51.48,106.83) 50.94,106.3 50.94,102.79 51.35,102.38 54.02,102.38 54.75,103.12 SW2.2 53.65,103.25 53.38,103.52 v1(53.38,104.67)
Net-(SW2-Pad4): length 40.8
  Top w0.25: v1(61.5,104.56) 61.5,103.4 61.35,103.25 SW2.4 61.18,103.25 v1(61.89,102.54) ; v1(53.45,85.56) 53.49,85.6 54.75,85.6
  Bottom w0.25: v1(61.5,104.56) 61.41,104.65 SW2.4 ; v1(53.45,85.56) 53.45,84.4 53.65,84.2 54.75,84.2 54.75,83.69 54.27,83.21 51.86,83.21 50.84,84.22 50.84,85.49 54.78,89.43 54.78,101.11 55.41,101.75 61.1,101.75 v1(61.89,102.54)
Net-(SW3-Pad2): length 27.4
  Top w0.25: 79.25,86.71 79.79,86.71 80.55,87.48 v1(80.55,88.08) ; v1(72.43,107.13) 72.45,107.15 73.75,107.15
  Bottom w0.25: 79.25,88.11 80.52,88.11 v1(80.55,88.08) ; v1(72.43,107.13) 72.43,105.97 72.65,105.75 73.75,105.75 ; SW3.2 73.8,95.3 79.3,89.8 79.3,88.1
